# Altium PCB AVALON_hashunit.PcbDoc (part 1 of 5)
Units mm, origin at the board's own origin, x right, y up, seen from the top; angles counter-clockwise.
Board outline 138.43 x 38.1 mm, 4 copper layers (Top Layer, Mid-Layer 1, Mid-Layer 2, Bottom Layer); 220 components, 79 nets, 967 pads, 761 vias.
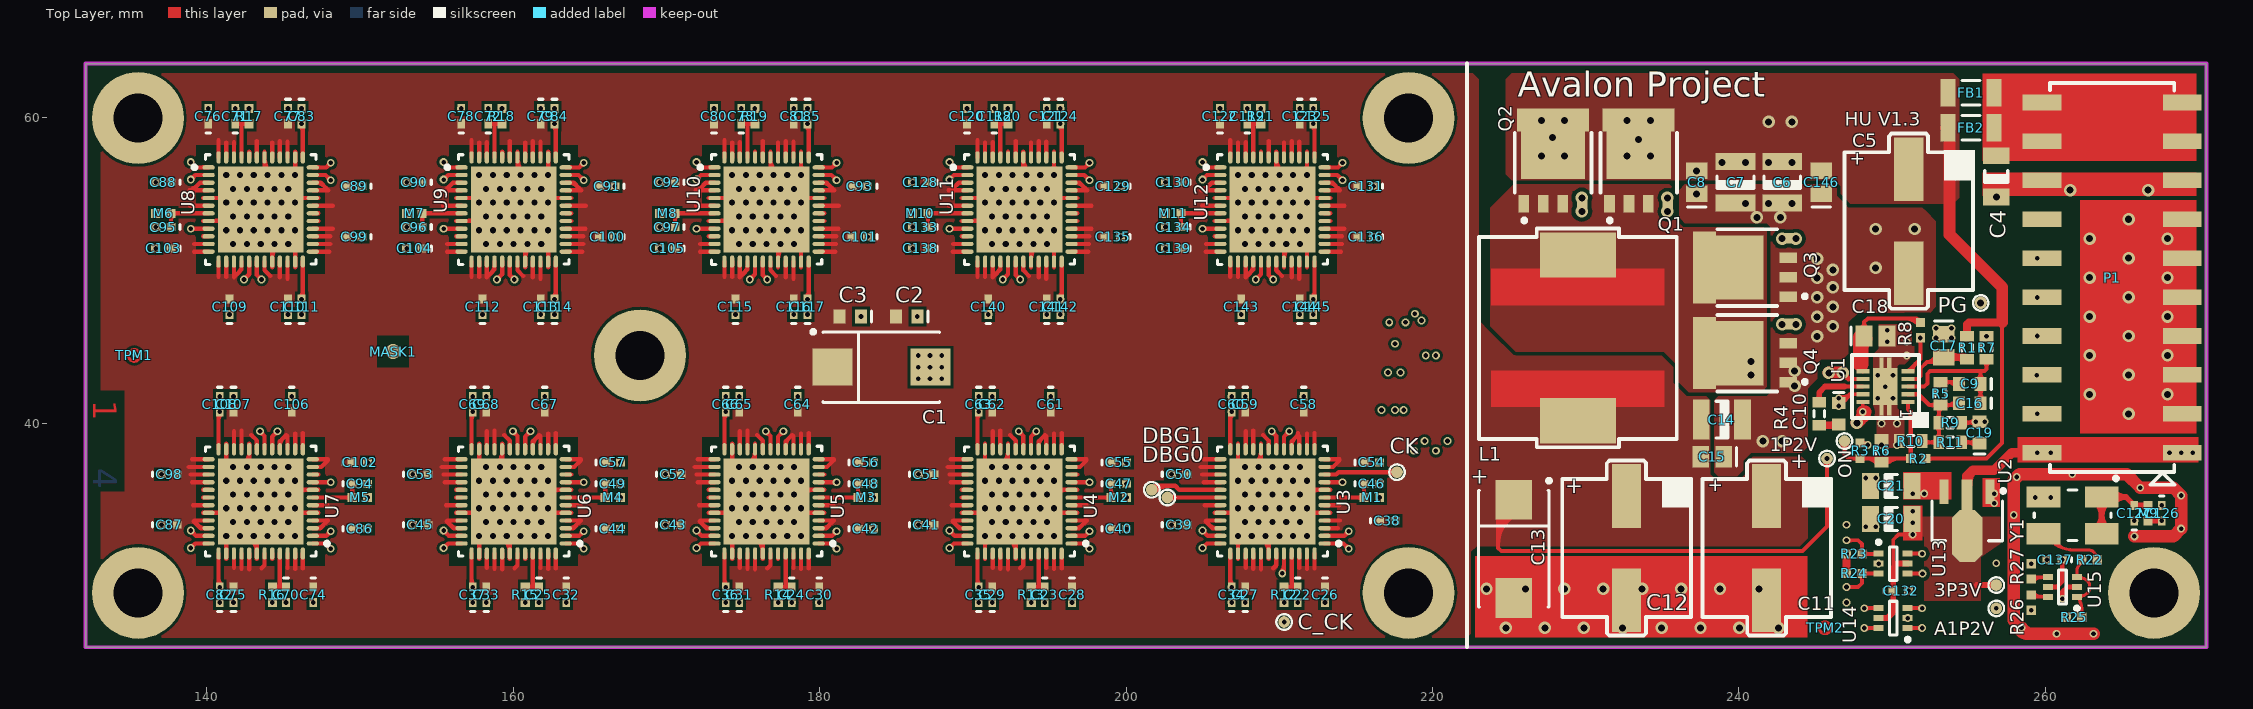
[diagram p0: Top Layer view]
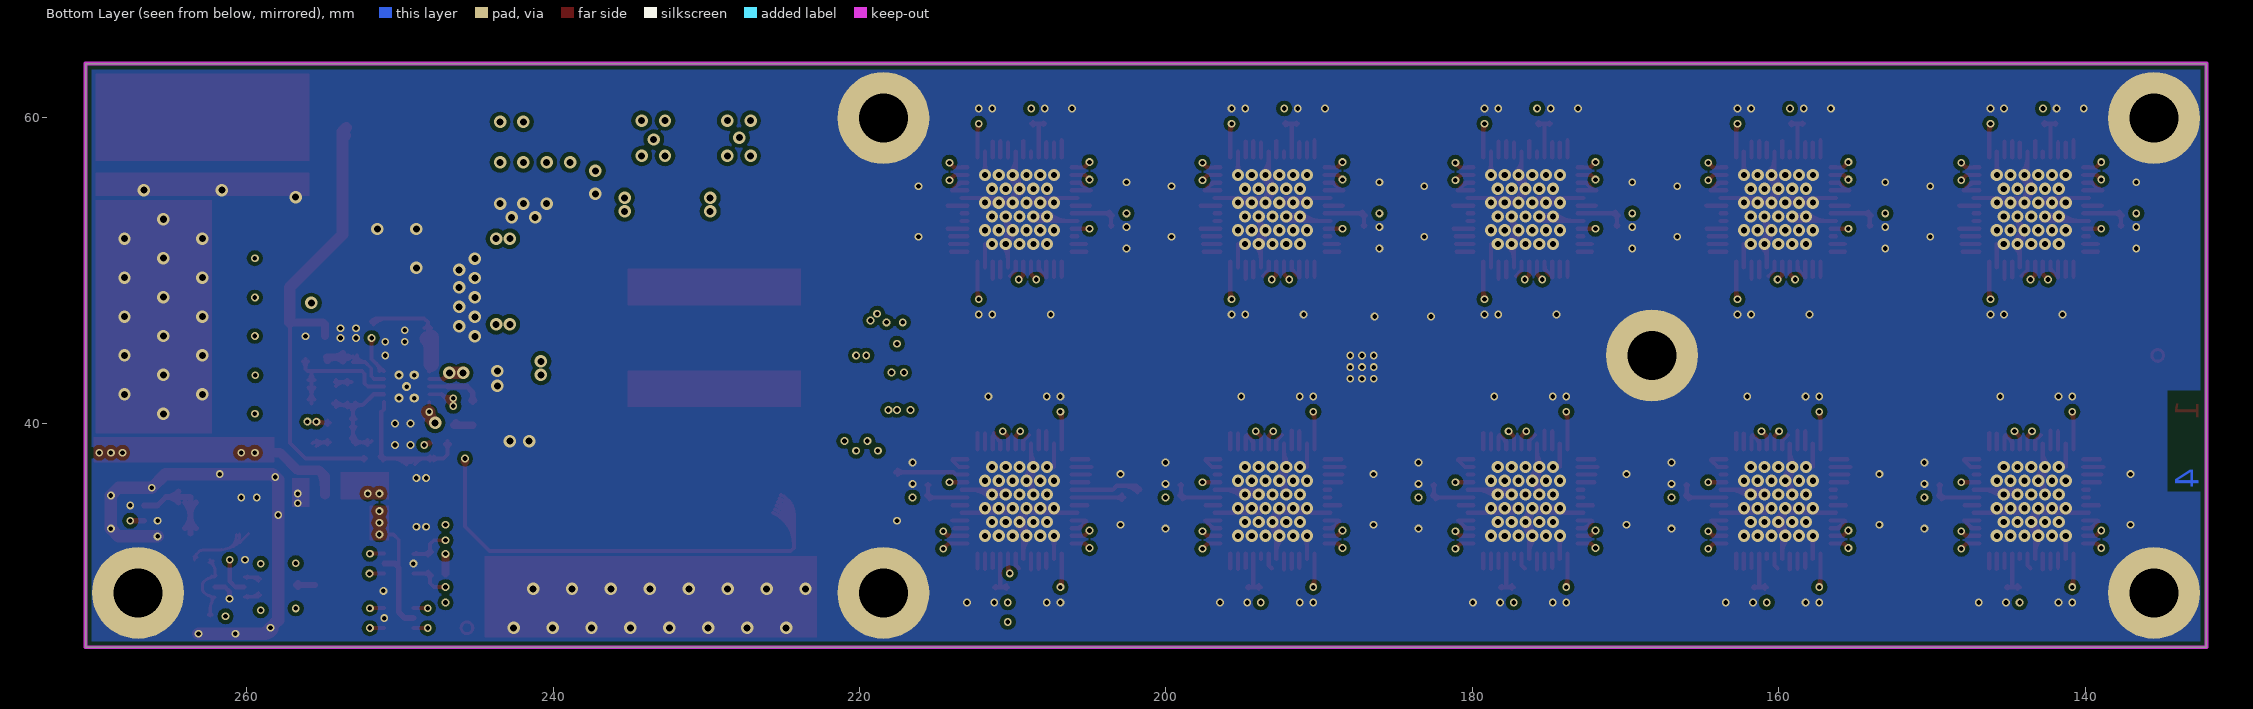
[diagram p1: Bottom Layer view, seen from below]
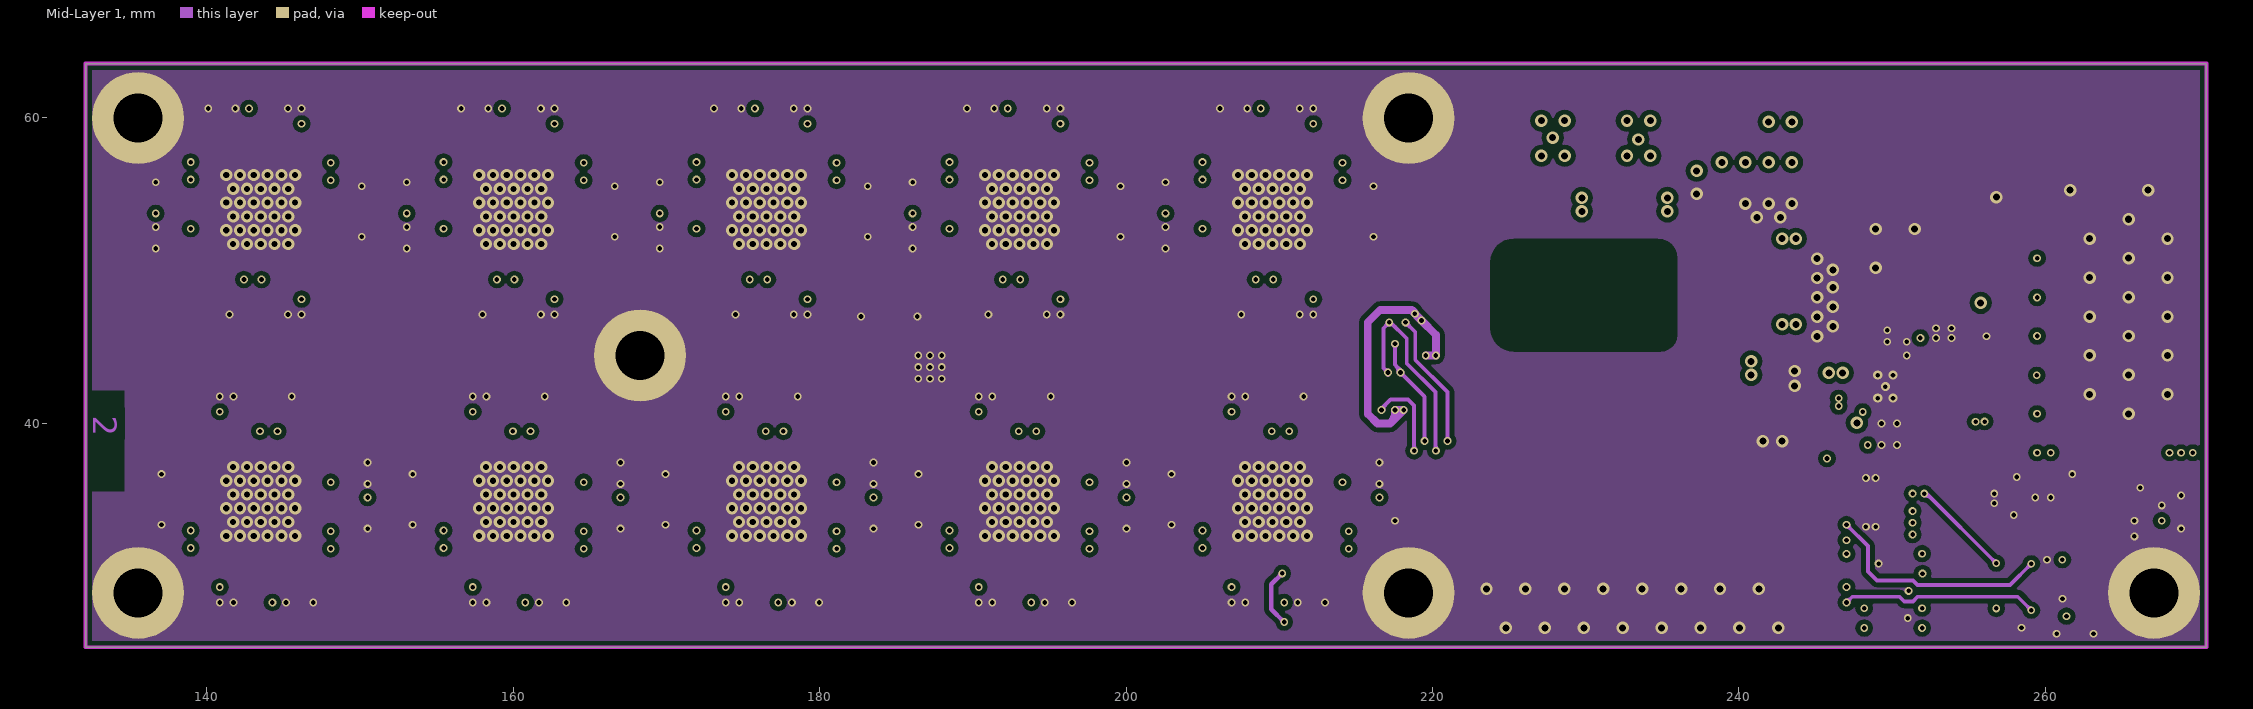
[diagram p2: Mid-Layer 1]
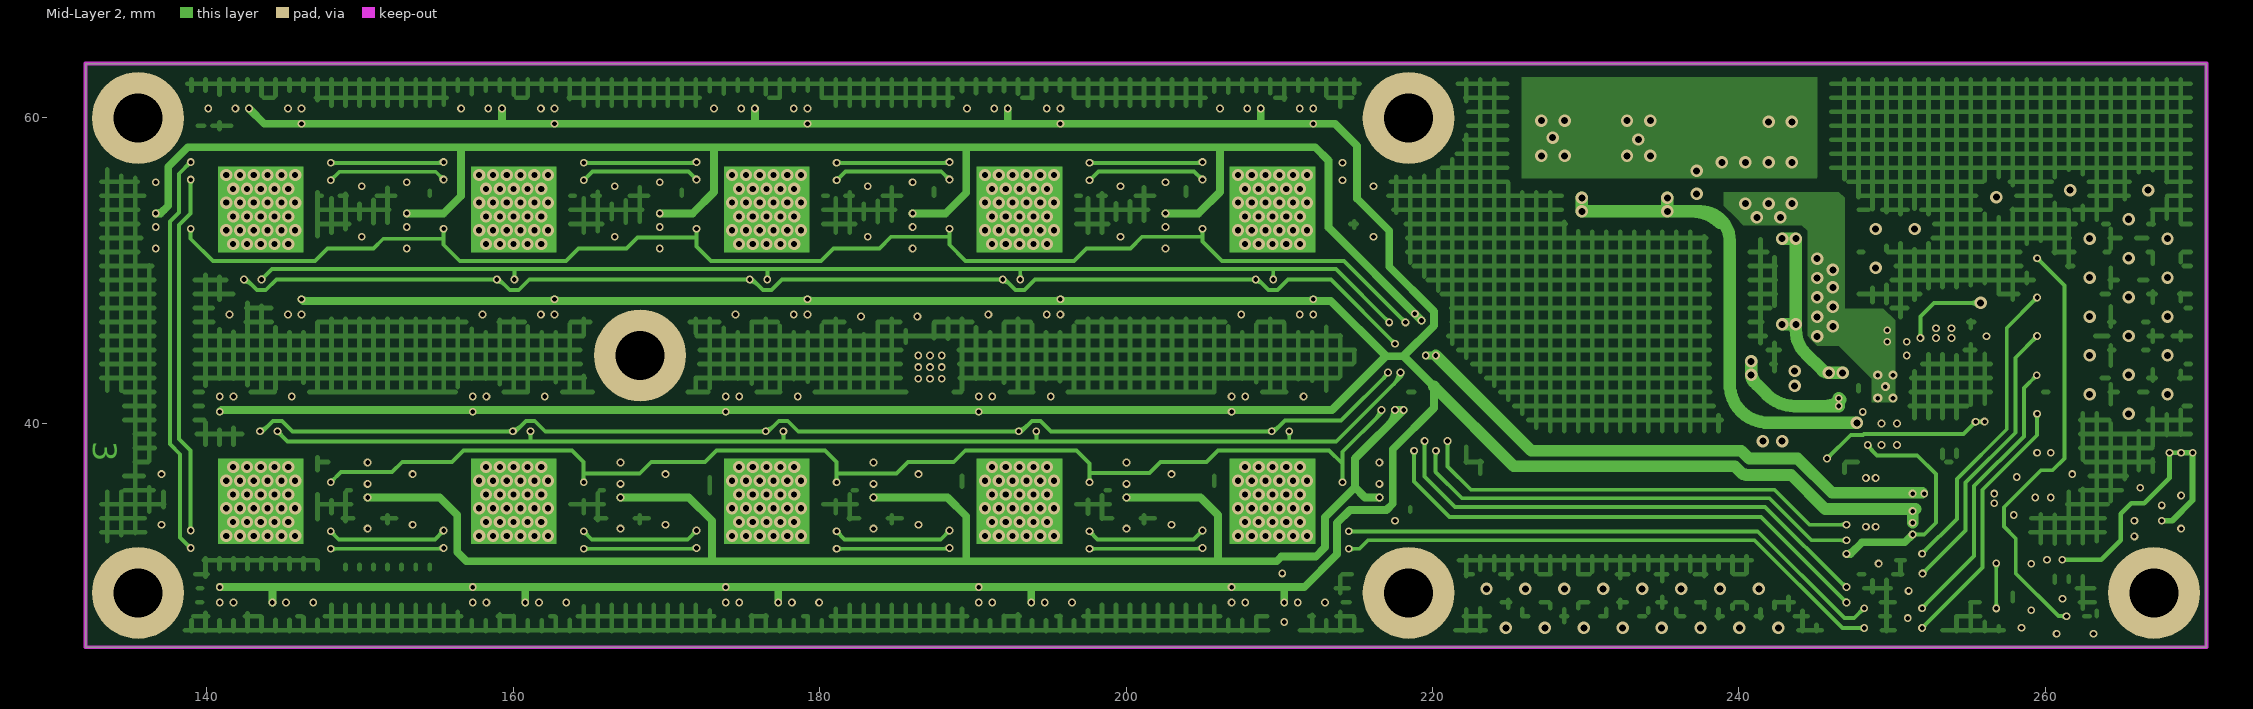
[diagram p3: Mid-Layer 2]

## Layer stack, top to bottom
Top Layer: signal copper 0.0356
Dielectric: prepreg 0.32, FR-4, Dk 4.8
Mid-Layer 1: signal copper 0.0356
Dielectric: core 0.32, FR-4, Dk 4.8
Mid-Layer 2: signal copper 0.0356
Dielectric: prepreg 0.32, FR-4, Dk 4.8
Bottom Layer: signal copper 0.0356

## Board outline
132.08,25.4 132.08,63.5 270.51,63.5 270.51,25.4

## Design rules (kind name [scope] priority, off if disabled: settings)
Clearance Clearance_16 [InNamedPolygon('MG2')] p1: gap=0.254
Clearance Clearance_15 [InNamedPolygon('NCC')] p2: gap=0.762
Clearance Clearance_14 [InNamedPolygon('T1V2_2')] p3: gap=0.254
Clearance Clearance_13 [InNamedPolygon('NetC5_1')] p4: gap=0.254
Clearance Clearance_12 [InNamedPolygon('NetC10_1')] p5: gap=0.254
Clearance Clearance_11 [InNamedPolygon('TG3')] p6: gap=0.254
Clearance Clearance_10 [InNamedPolygon('M2_NetC10_1')] p7: gap=0.254
Clearance Clearance_9 [InNamedPolygon('M2_NetC5_1')] p8: gap=0.254
Clearance Clearance_8 [InNamedPolygon('M2_G1')] p9: gap=0.254
Clearance Clearance_7 [InNamedPolygon('T1V1')] p10: gap=0.254
Clearance Clearance_6 [InNamedPolygon('TGI1')] p11: gap=0.254
Clearance Clearance_5 [InNamedPolygon('TNC61')] p12: gap=0.254
Clearance Clearance_4 [InNamedPolygon('T3V1')] p13: gap=0.254
Clearance Clearance_3 [InNamedPolygon('TG2')] p14: gap=0.254
Clearance Clearance_2 [InNamedPolygon('TG1')] p15: gap=0.254
Clearance Clearance_1 [InNamedPolygon('BG1')] p16: gap=0.254
Clearance [InNamedPolygon('M1G1')] p17: gap=0.305
Clearance Clearance_top [OnLayer('Top Layer')] p18: gap=0.178
Clearance Clearance_mid1 [OnLayer('Mid-Layer 1')] p19: gap=0.305
Clearance Clearance_mid2 [OnLayer('Mid-Layer 2')] p20: gap=0.254
Clearance Clearance_bottom [OnLayer('Bottom Layer')] p21: gap=0.254
HoleSize [All] p1: absolutevalues=TRUE maxlimit=254 minlimit=0.025 maxpercent=80.000 minpercent=20.000
HoleToHoleClearance [All] p1 off: gap=0.254 allowstackedmicrovias=TRUE
MinimumSolderMaskSliver [All] p1 off: minsoldermaskwidth=0.254
PolygonConnect PolygonConnect_20 [All vs IsNamedPolygon('MG2')] p1: connectstyle=Direct reliefconductorwidth=0.254 reliefentries=4 polygonreliefangle="90 Angle"
PolygonConnect PolygonConnect_19 [All vs IsNamedPolygon('NCC')] p2: connectstyle=NoConnect reliefconductorwidth=0.254 reliefentries=4 polygonreliefangle="90 Angle"
PolygonConnect PolygonConnect_18 [All vs IsNamedPolygon('T1V2_2')] p3: connectstyle=Direct reliefconductorwidth=0.254 reliefentries=4 polygonreliefangle="90 Angle"
PolygonConnect PolygonConnect_17 [All vs IsNamedPolygon('NetC5_1')] p4: connectstyle=Direct reliefconductorwidth=0.254 reliefentries=4 polygonreliefangle="90 Angle"
PolygonConnect PolygonConnect_16 [All vs IsNamedPolygon('NetC10_1')] p5: connectstyle=Direct reliefconductorwidth=0.254 reliefentries=4 polygonreliefangle="90 Angle"
PolygonConnect PolygonConnect_15 [All vs IsNamedPolygon('TG3')] p6: connectstyle=Direct reliefconductorwidth=0.254 reliefentries=4 polygonreliefangle="90 Angle"
PolygonConnect PolygonConnect_14 [All vs IsNamedPolygon('M2_NetC10_1')] p7: connectstyle=Direct reliefconductorwidth=0.254 reliefentries=4 polygonreliefangle="90 Angle"
PolygonConnect PolygonConnect_13 [All vs IsNamedPolygon('M2_NetC5_1')] p8: connectstyle=Direct reliefconductorwidth=0.254 reliefentries=4 polygonreliefangle="90 Angle"
PolygonConnect PolygonConnect_12 [All vs IsNamedPolygon('M2_G1')] p9: connectstyle=Direct reliefconductorwidth=0.254 reliefentries=4 polygonreliefangle="90 Angle"
PolygonConnect PolygonConnect_11 [All vs IsNamedPolygon('M2_NetC5_1')] p10: connectstyle=Direct reliefconductorwidth=0.254 reliefentries=4 polygonreliefangle="90 Angle"
PolygonConnect PolygonConnect_10 [All vs IsNamedPolygon('T1V1')] p11: connectstyle=Direct reliefconductorwidth=0.254 reliefentries=4 polygonreliefangle="90 Angle"
PolygonConnect PolygonConnect_9 [All vs IsNamedPolygon('TGI1')] p12: connectstyle=Direct reliefconductorwidth=0.254 reliefentries=4 polygonreliefangle="90 Angle"
PolygonConnect PolygonConnect_8 [All vs IsNamedPolygon('TNC61')] p13: connectstyle=Direct reliefconductorwidth=0.254 reliefentries=4 polygonreliefangle="90 Angle"
PolygonConnect PolygonConnect_7 [All vs IsNamedPolygon('T3V1')] p14: connectstyle=Direct reliefconductorwidth=0.254 reliefentries=4 polygonreliefangle="90 Angle"
PolygonConnect PolygonConnect_6 [All vs IsNamedPolygon('TG1')] p15: connectstyle=Direct reliefconductorwidth=0.254 reliefentries=4 polygonreliefangle="90 Angle"
PolygonConnect PolygonConnect_5 [All vs IsNamedPolygon('TG2')] p16: connectstyle=Direct reliefconductorwidth=0.254 reliefentries=4 polygonreliefangle="90 Angle"
PolygonConnect PolygonConnect_4 [All vs IsNamedPolygon('BG1')] p17: connectstyle=Direct reliefconductorwidth=0.254 reliefentries=4 polygonreliefangle="90 Angle"
PolygonConnect PolygonConnect_3 [All vs IsNamedPolygon('BG1')] p18: connectstyle=Direct reliefconductorwidth=0.254 reliefentries=4 polygonreliefangle="90 Angle"
PolygonConnect PolygonConnect_2 [All vs IsNamedPolygon('M1G1')] p19: connectstyle=Direct reliefconductorwidth=0.254 reliefentries=4 polygonreliefangle="90 Angle"
PolygonConnect PolygonConnect_1 [All vs IsNamedPolygon('T1V2')] p20: connectstyle=Direct reliefconductorwidth=0.254 reliefentries=4 polygonreliefangle="90 Angle"
PolygonConnect [All] p21: connectstyle=Relief reliefconductorwidth=0.254 reliefentries=4 polygonreliefangle="90 Angle"
RoutingVias [All] p1: holewidth=0.711 width=1.27 viastyle="Through Hole" minholewidth=0.025 minwidth=0.051 maxholewidth=0.711 maxwidth=1.27
SilkToSilkClearance [All] p1 off: silktosilkclearance=0.254
SilkscreenOverComponentPads [All] p1: minsilkscreentomaskgap=0.025
SolderMaskExpansion [All] p1: expansion=0.102
Width Width_INT1 [OnLayer('Mid-Layer 2')] p1: maxlimit=254 minlimit=0.254 preferedwidth=0.254
Width Width_BTM [OnLayer('Bottom Layer')] p2: maxlimit=177.8 minlimit=0.178 preferedwidth=0.178
Width Width_TOP [OnLayer('Top Layer')] p3: maxlimit=25.4 minlimit=0.178 preferedwidth=0.178
Width Width_INT2 [OnLayer('Mid-Layer 1')] p4: maxlimit=254 minlimit=0.254 preferedwidth=0.254
23 further rules are at their usual default settings.

## Classes and differential pairs
component class AVALON._power2: 1P2V 3P3V A1P2V C1 C2 C3 C4 C5 C6 C7 C8 C9 C10 C11 C12 C13 C14 C15 C16 C17 C18 C19 C20 C21 C146 FB1 FB2 L1 MASK1 ON PG Q1 Q2 Q3 Q4 R1 R2 R3 R4 R5 R6 R7 R8 R9 R10 R11 TPM1 TPM2 U1 U2
component class AVALON_chip.1: C22 C23 C24 C25 C26 C27 C28 C29 C30 C31 C32 C33 C34 C35 C36 C37 C38 C39 C40 C41 C42 C43 C44 C45 C46 C47 C48 C49 C50 C51 C52 C53 C54 C55 C56 C57 C58 C59 C60 C61 C62 C63 C64 C65 C66 C67 C68 C69 C70 C71 C72 C73 C74 C75 C76 C77 C78 C79 C80 C81 C82 C83 C84 C85 C86 C87 C88 C89 C90 C91 C92 C93 C94 C95 C96 C97 C98 C99 C100 C101 C102 C103 C104 C105 C106 C107 C108 C109 C110 C111 C112 C113 C114 C115 C116 C117 C118 C119 C120 C121 C122 C123 C124 C125 C126 C127 C128 C129 C130 C131 C132 C133 C134 C135 C136 C137 C138 C139 C140 C141 C142 C143 C144 C145 C_CK CK DBG0 DBG1 M1 M2 M3 M4 M5 M6 M7 M8 M9 M10 M11 P1 R12 R13 R14 R15 R16 R17 R18 R19 R20 R21 R22 R23 R24 R25 R26 R27 U3 U4 U5 U6 U7 U8 U9 U10 U11 U12 U13 U14 U15 Y1

## Components (designator, comment, footprint, x,y, rotation, side; value= is the part's Value field where it differs from the comment)
1P2V "TP" TP 245.745,37.719 r180 top
3P3V "TP" TP 256.794,29.464 r270 top
A1P2V "TP" TP 256.794,27.94 r270 top
C1 "680uF" D 184.023,43.688 r0 top
C2 "4.7uF" CAPC1608L 185.674,46.99 r180 top
C3 "4.7uF" CAPC1608L 181.991,46.99 r180 top
C4 "10uF/16V" CAPC3216L 256.794,56.134 r90 top
C5 "270uF/16V" E12 251.079,53.213 r180 top
C6 "22uF/16V" CAPC3225L 242.824,55.753 r90 top
C7 "22uF/16V" CAPC3225L 239.776,55.753 r90 top
C8 "4.7uF/16V" CAPC2012L 237.236,55.753 r90 top
C9 "6800pF" CAPC1608L 255.065,42.594 r180 top
C10 "1uF/20V" CAPC1608L 246.507,40.64 r270 top
C11 "1500uF/2.5V" E12 241.808,31.877 r180 top
C12 "1500uF/2.5V" E12 232.664,31.877 r180 top
C13 "680uF" D 225.298,31.828 r270 top
C14 "47uF" CAPC3225L 238.887,40.259 r180 top
C15 "10uF" CAPC2012L 238.252,37.846 r180 top
C16 "560pF" CAPC1608L 255.065,41.324 r180 top
C17 "4.7uF/16V" CAPC2012L 253.365,45.085 r270 top
C18 "10uF" CAPC2012L 248.92,45.72 r0 top
C19 "3900pF" CAPC1608L 255.7,39.419 r90 top
C20 "22uF" CAPC3216L 249.936,33.782 r0 top
C21 "22uF" CAPC3216L 249.936,35.941 r0 top
C22 "0.47uF" CAPC1005L 211.201,28.829 r270 top
C23 "0.47uF" CAPC1005L 194.691,28.829 r270 top
C24 "0.47uF" CAPC1005L 178.181,28.829 r270 top
C25 "0.47uF" CAPC1005L 161.671,28.829 r270 top
C26 "0.47uF" CAPC1005L 212.979,28.829 r270 top
C27 "0.47uF" CAPC1005L 207.772,28.829 r90 top
C28 "0.47uF" CAPC1005L 196.469,28.829 r270 top
C29 "0.47uF" CAPC1005L 191.262,28.829 r90 top
C30 "0.47uF" CAPC1005L 179.959,28.829 r270 top
C31 "0.47uF" CAPC1005L 174.752,28.833 r90 top
C32 "0.47uF" CAPC1005L 163.449,28.829 r270 top
C33 "0.47uF" CAPC1005L 158.242,28.829 r90 top
C34 "0.47uF" CAPC1005L 206.883,28.829 r90 top
C35 "0.47uF" CAPC1005L 190.373,28.833 r90 top
C36 "0.47uF" CAPC1005L 173.863,28.829 r90 top
C37 "0.47uF" CAPC1005L 157.353,28.829 r90 top
C38 "0.47uF" CAPC1005L 217.043,33.655 r0 top
C39 "0.47uF" CAPC1005L 203.454,33.401 r0 top
C40 "0.47uF" CAPC1005L 199.517,33.147 r0 top
C41 "0.47uF" CAPC1005L 186.944,33.401 r0 top
C42 "0.47uF" CAPC1005L 183.007,33.147 r0 top
C43 "0.47uF" CAPC1005L 170.434,33.401 r0 top
C44 "0.47uF" CAPC1005L 166.497,33.147 r0 top
C45 "0.47uF" CAPC1005L 153.924,33.401 r0 top
C46 "0.47uF" CAPC1005L 216.027,36.068 r0 top
C47 "0.47uF" CAPC1005L 199.517,36.068 r0 top
C48 "0.47uF" CAPC1005L 183.007,36.068 r0 top
C49 "0.47uF" CAPC1005L 166.497,36.068 r0 top
C50 "0.47uF" CAPC1005L 203.454,36.703 r0 top
C51 "0.47uF" CAPC1005L 186.944,36.703 r0 top
C52 "0.47uF" CAPC1005L 170.434,36.703 r0 top
C53 "0.47uF" CAPC1005L 153.924,36.703 r0 top
C54 "0.47uF" CAPC1005L 216.027,37.465 r0 top
C55 "0.47uF" CAPC1005L 199.517,37.465 r0 top
C56 "0.47uF" CAPC1005L 183.007,37.465 r0 top
C57 "0.47uF" CAPC1005L 166.497,37.465 r0 top
C58 "0.47uF" CAPC1005L 211.582,41.275 r270 top
C59 "0.47uF" CAPC1005L 207.772,41.275 r270 top
C60 "0.47uF" CAPC1005L 206.883,41.275 r270 top
C61 "0.47uF" CAPC1005L 195.072,41.275 r270 top
C62 "0.47uF" CAPC1005L 191.262,41.275 r270 top
C63 "0.47uF" CAPC1005L 190.373,41.275 r270 top
C64 "0.47uF" CAPC1005L 178.562,41.275 r270 top
C65 "0.47uF" CAPC1005L 174.752,41.275 r270 top
C66 "0.47uF" CAPC1005L 173.863,41.275 r270 top
C67 "0.47uF" CAPC1005L 162.052,41.275 r270 top
C68 "0.47uF" CAPC1005L 158.242,41.275 r270 top
C69 "0.47uF" CAPC1005L 157.353,41.275 r270 top
C70 "0.47uF" CAPC1005L 145.161,28.829 r270 top
C71 "0.47uF" CAPC1005L 141.859,60.071 r90 top
C72 "0.47uF" CAPC1005L 158.369,60.071 r90 top
C73 "0.47uF" CAPC1005L 174.879,60.071 r90 top
C74 "0.47uF" CAPC1005L 146.939,28.829 r270 top
C75 "0.47uF" CAPC1005L 141.732,28.829 r90 top
C76 "0.47uF" CAPC1005L 140.081,60.071 r90 top
C77 "0.47uF" CAPC1005L 145.288,60.071 r270 top
C78 "0.47uF" CAPC1005L 156.591,60.071 r90 top
C79 "0.47uF" CAPC1005L 161.798,60.071 r270 top
C80 "0.47uF" CAPC1005L 173.101,60.071 r90 top
C81 "0.47uF" CAPC1005L 178.308,60.071 r270 top
C82 "0.47uF" CAPC1005L 140.843,28.829 r90 top
C83 "0.47uF" CAPC1005L 146.177,60.071 r270 top
C84 "0.47uF" CAPC1005L 162.687,60.071 r270 top
C85 "0.47uF" CAPC1005L 179.197,60.071 r270 top
C86 "0.47uF" CAPC1005L 149.987,33.147 r0 top
C87 "0.47uF" CAPC1005L 137.537,33.401 r0 top
C88 "0.47uF" CAPC1005L 137.156,55.753 r180 top
C89 "0.47uF" CAPC1005L 149.606,55.499 r180 top
C90 "0.47uF" CAPC1005L 153.543,55.753 r180 top
C91 "0.47uF" CAPC1005L 166.116,55.499 r180 top
C92 "0.47uF" CAPC1005L 170.053,55.753 r180 top
C93 "0.47uF" CAPC1005L 182.626,55.499 r180 top
C94 "0.47uF" CAPC1005L 149.987,36.068 r0 top
C95 "0.47uF" CAPC1005L 137.156,52.832 r180 top
C96 "0.47uF" CAPC1005L 153.543,52.832 r180 top
C97 "0.47uF" CAPC1005L 170.053,52.832 r180 top
C98 "0.47uF" CAPC1005L 137.537,36.703 r0 top
C99 "0.47uF" CAPC1005L 149.606,52.197 r180 top
C100 "0.47uF" CAPC1005L 166.116,52.197 r180 top
C101 "0.47uF" CAPC1005L 182.626,52.197 r180 top
C102 "0.47uF" CAPC1005L 149.987,37.465 r0 top
C103 "0.47uF" CAPC1005L 137.156,51.435 r180 top
C104 "0.47uF" CAPC1005L 153.543,51.435 r180 top
C105 "0.47uF" CAPC1005L 170.053,51.435 r180 top
C106 "0.47uF" CAPC1005L 145.542,41.275 r270 top
C107 "0.47uF" CAPC1005L 141.732,41.275 r270 top
C108 "0.47uF" CAPC1005L 140.843,41.275 r270 top
C109 "0.47uF" CAPC1005L 141.478,47.625 r90 top
C110 "0.47uF" CAPC1005L 145.288,47.625 r90 top
C111 "0.47uF" CAPC1005L 146.177,47.625 r90 top
C112 "0.47uF" CAPC1005L 157.988,47.625 r90 top
C113 "0.47uF" CAPC1005L 161.798,47.625 r90 top
C114 "0.47uF" CAPC1005L 162.687,47.625 r90 top
C115 "0.47uF" CAPC1005L 174.498,47.625 r90 top
C116 "0.47uF" CAPC1005L 178.308,47.625 r90 top
C117 "0.47uF" CAPC1005L 179.197,47.625 r90 top
C118 "0.47uF" CAPC1005L 191.389,60.071 r90 top
C119 "0.47uF" CAPC1005L 207.899,60.071 r90 top
C120 "0.47uF" CAPC1005L 189.611,60.071 r90 top
C121 "0.47uF" CAPC1005L 194.818,60.071 r270 top
C122 "0.47uF" CAPC1005L 206.121,60.071 r90 top
C123 "0.47uF" CAPC1005L 211.328,60.071 r270 top
C124 "0.47uF" CAPC1005L 195.707,60.071 r270 top
C125 "0.47uF" CAPC1005L 212.217,60.071 r270 top
C126 "0.47uF" CAPC1005L 267.589,34.163 r270 top
C127 "0.47uF" CAPC1005L 265.811,34.163 r90 top
C128 "0.47uF" CAPC1005L 186.563,55.753 r180 top
C129 "0.47uF" CAPC1005L 199.136,55.499 r180 top
C130 "0.47uF" CAPC1005L 203.073,55.753 r180 top
C131 "0.47uF" CAPC1005L 215.646,55.499 r180 top
C132 "0.47uF" CAPC1005L 250.571,29.083 r0 top
C133 "0.47uF" CAPC1005L 186.563,52.832 r180 top
C134 "0.47uF" CAPC1005L 203.073,52.832 r180 top
C135 "0.47uF" CAPC1005L 199.136,52.197 r180 top
C136 "0.47uF" CAPC1005L 215.646,52.197 r180 top
C137 "0.47uF" CAPC1005L 260.604,31.115 r180 top
C138 "0.47uF" CAPC1005L 186.563,51.435 r180 top